# Altium PCB Z693_H93-A_KD01_V1.3_X6.PcbDoc (part 3 of 7) (continued)
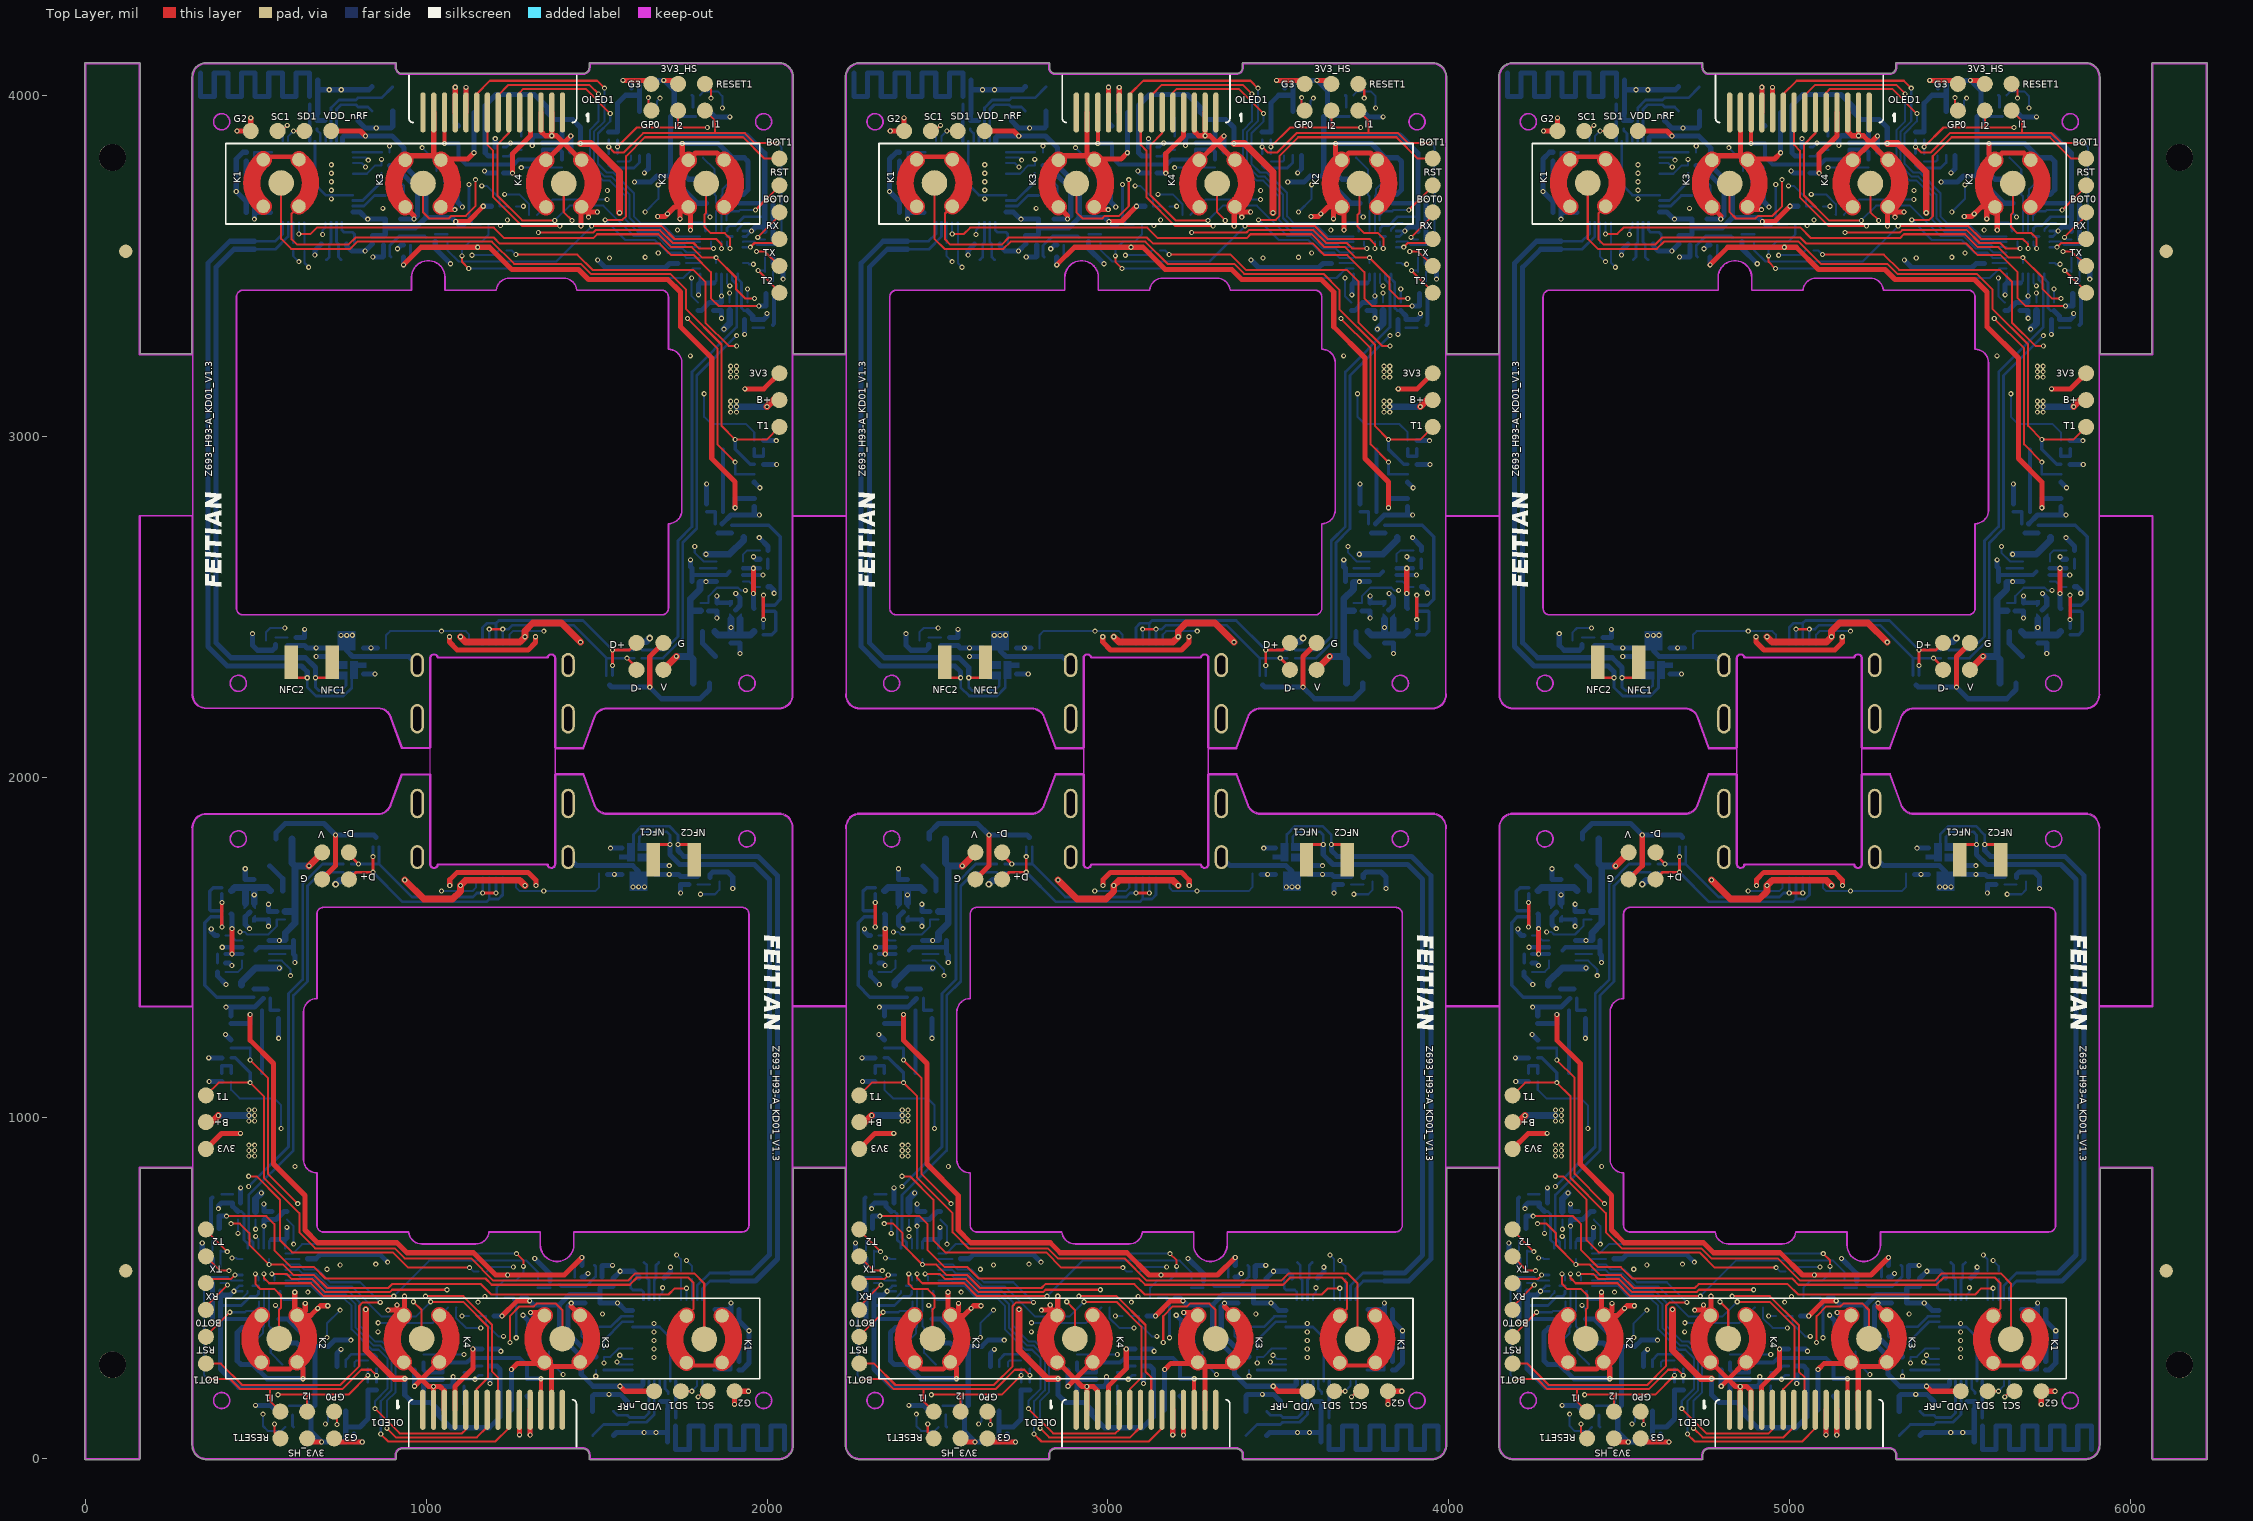
[diagram p0: Top Layer view]
## Nets (pads, with @x,y where several pads share a name; then routed paths per layer and width w, separated by ;. In a path a pad name is that pad's centre, name@x,y a point inside that pad or via, vN(x,y) a via of type N, cw(c..) or ccw(c..) an arc to the next point about the centre after c; other vN are vias at no path point) (continued)
  Top Layer w12: 521.58,3812.05 530.46,3820.93 618.02,3820.93 626.46,3812.5 ; v1(1053.43,3859.84) 1053.43,3950.93 ; 1336.34,143.56 v1(1336.34,234.65) ; 1763.31,281.99 1771.74,273.56 1859.31,273.56 1868.19,282.44 ; 2438.9,3812.05 2447.78,3820.93 2535.35,3820.93 2543.78,3812.5 ; v1(2970.75,3859.84) 2970.75,3950.93 ; 3253.66,143.56 v1(3253.66,234.65) ; 3680.63,281.99 3689.06,273.56 3776.63,273.56 3785.51,282.44 ; 4356.23,3812.05 4365.1,3820.93 4452.67,3820.93 4461.1,3812.5 ; v1(4888.07,3859.84) 4888.07,3950.93 ; 5170.99,143.56 v1(5170.99,234.65) ; 5597.96,281.99 5606.39,273.56 5693.96,273.56 5702.84,282.44
  Top Layer w15: 353.39,909 399.13,954.74 v1(454.76,954.74) ; v1(429.82,1481.25) v1(429.82,1555.54) ; v1(444.39,3896.49) 484.91,3896.49 v1(484.91,3934.97) ; v1(483.26,1303.56) 483.26,1228.18 551.89,1159.55 551.89,864.55 643.88,772.56 643.88,670.88 680.88,633.88 913.77,633.88 943.3,604.35 1138.67,604.35 1203.95,539.06 v1(1238.95,539.06) 1404.95,539.06 v1(1456.67,590.78) ; 515.82,283.48 536.43,262.88 599.65,262.88 620.7,283.92 638.39,266.23 v1(638.39,234.65) ; 515.82,420.27 524.73,429.17 ; v1(614.07,488.64) 614.07,427.34 620.7,420.71 ; 629.16,429.17 620.7,420.71 ; 631.8,420.71 644.8,433.71 v1(644.8,455.88) ; 634.85,406.56 635.2,406.56 ; 653.88,59.56 664.1,49.34 v1(692.91,49.34) ; 694.14,1700.5 733.88,1740.24 v1(733.88,1830.24) ; v1(710.8,448.88) 689.29,448.88 661.13,420.71 620.7,420.71 ; 721.13,3896.49 806.83,3896.49 v1(821.39,3881.93) ; 729.36,59.56 739.58,49.34 v1(812.13,49.34) ; v1(887.8,435.88) 909.4,435.88 913.8,440.28 ; v1(913.8,450.88) 913.8,440.28 ; v1(933.1,3503.71) 984.82,3555.43 v1(1150.81,3555.43) 1185.81,3555.43 1251.1,3490.14 1446.46,3490.14 1475.99,3460.62 1708.88,3460.62 1745.88,3423.62 1745.88,3321.93 1837.87,3229.94 1837.87,2934.94 1906.5,2866.31 v1(1906.5,2790.93) ; 933.82,283.48 935.88,281.42 937.87,281.42 986.19,233.1 ; 935.8,420.27 v1(935.8,476.87) ; 935.8,422.25 933.82,420.27 913.8,440.28 ; 938.07,3673.78 964.32,3647.52 ; 938.07,3810.57 951.43,3823.93 1030.02,3823.93 1042.94,3811.01 1046.52,3814.59 1122.01,3814.59 v1(1140.04,3832.62) ; v1(965.8,212.71) 986.19,233.1 ; 1021.38,143.56 v1(1021.38,212.1) ; 1021.93,3825.49 1021.93,3950.93 ; 1038.7,283.92 1037.02,283.92 986.19,233.1 ; 1052.87,143.56 1052.87,199.57 1040.35,212.1 v1(1021.38,212.1) ; v1(1067.88,2412.14) 1067.88,2396.69 1090.96,2373.62 1298.96,2373.62 1320.88,2395.54 v1(1320.88,2412.14) ; v1(1068.88,1682.35) 1068.88,1698.95 1090.8,1720.88 1298.8,1720.88 1321.88,1697.8 v1(1321.88,1682.35) ; 1079.65,3710.93 1058.73,3690.01 1042.94,3674.22 1051.55,3665.62 v1(1083.96,3665.62) ; 1084.37,143.56 1084.37,212.44 1136.8,264.88 v1(1136.8,321.88) ; 1084.92,3950.93 v1(1084.92,4024.89) ; v1(1086.46,3631.12) 1122.9,3631.12 v1(1167.26,3675.48) ; 1116.42,3950.93 v1(1116.42,4024.47) ; v1(1222.5,419.01) 1266.87,463.37 v1(1303.3,463.37) ; v1(1249.73,261.88) 1267.75,279.9 1343.24,279.9 1346.82,283.48 1359.74,270.56 1438.33,270.56 1451.7,283.92 ; v1(1252.96,3772.62) 1252.96,3829.62 1305.39,3882.05 1305.39,3950.93 ; v1(1273.35,70.02) 1273.35,143.56 ; v1(1304.84,69.6) 1304.84,143.56 ; v1(1305.8,428.88) 1338.21,428.88 1346.82,420.27 1331.04,404.48 1310.11,383.56 ; 1336.89,3950.93 1336.89,3894.92 1349.42,3882.4 v1(1368.39,3882.4) ; 1351.07,3810.57 1352.74,3810.57 1403.57,3861.4 ; 1367.84,143.56 1367.84,269 ; 1368.39,3950.93 v1(1368.39,3882.4) ; v1(1423.96,3881.78) 1403.57,3861.4 ; 1425.44,446.97 1451.7,420.71 ; v1(1453.96,3617.62) 1453.96,3674.22 ; 1453.96,3672.24 1455.94,3674.22 1475.96,3654.21 ; 1455.94,3811.01 1453.88,3813.07 1451.9,3813.07 1403.57,3861.4 ; v1(1475.96,3643.62) 1475.96,3654.21 ; v1(1501.96,3658.62) 1480.37,3658.62 1475.96,3654.21 ; v1(1568.38,212.56) 1582.94,198 1668.64,198 ; v1(1577.63,4045.15) 1650.18,4045.15 1660.4,4034.93 ; v1(1655.88,2264.25) 1655.88,2354.25 1695.62,2393.99 ; v1(1678.96,3645.62) 1700.47,3645.62 1728.63,3673.78 1769.07,3673.78 ; v1(1696.85,4045.15) 1725.66,4045.15 1735.88,4034.93 ; v1(1744.96,3638.62) 1744.96,3660.78 1757.96,3673.78 ; v1(1751.37,3859.84) 1751.37,3828.26 1769.07,3810.57 1790.12,3831.62 1853.34,3831.62 1873.94,3811.01 ; 1754.57,3687.93 1754.91,3687.93 ; 1760.6,3665.32 1769.07,3673.78 ; v1(1775.7,3605.85) 1775.7,3667.15 1769.07,3673.78 ; 1865.04,3665.32 1873.94,3674.22 ; v1(1904.86,159.52) 1904.86,198 v1(1945.38,198) ; v1(1935,3139.75) 1990.63,3139.75 2036.37,3185.49 ; v1(1959.95,2538.95) v1(1959.95,2613.24) ; 2270.72,909 2316.46,954.74 v1(2372.08,954.74) ; v1(2347.14,1481.25) v1(2347.14,1555.54) ; v1(2361.71,3896.49) 2402.23,3896.49 v1(2402.23,3934.97) ; v1(2400.58,1303.56) 2400.58,1228.18 2469.22,1159.55 2469.22,864.55 2561.21,772.56 2561.21,670.88 2598.21,633.88 2831.1,633.88 2860.62,604.35 3055.99,604.35 3121.28,539.06 v1(3156.27,539.06) 3322.27,539.06 v1(3373.99,590.78) ; 2433.15,283.48 2453.75,262.88 2516.97,262.88 2538.02,283.92 2555.72,266.23 v1(2555.72,234.65) ; 2433.15,420.27 2442.05,429.17 ; v1(2531.39,488.64) 2531.39,427.34 2538.02,420.71 ; 2546.48,429.17 2538.02,420.71 ; 2549.13,420.71 2562.13,433.71 v1(2562.13,455.88) ; 2552.18,406.56 2552.52,406.56 ; 2571.21,59.56 2581.43,49.34 v1(2610.24,49.34) ; 2611.47,1700.5 2651.21,1740.24 v1(2651.21,1830.24) ; v1(2628.13,448.88) 2606.62,448.88 2578.46,420.71 2538.02,420.71 ; 2638.45,3896.49 2724.15,3896.49 v1(2738.71,3881.93) ; 2646.69,59.56 2656.91,49.34 v1(2729.46,49.34) ; v1(2805.13,435.88) 2826.72,435.88 2831.13,440.28 ; v1(2831.13,450.88) 2831.13,440.28 ; v1(2850.42,3503.71) 2902.14,3555.43 v1(3068.14,3555.43) 3103.13,3555.43 3168.42,3490.14 3363.79,3490.14 3393.32,3460.62 3626.21,3460.62 3663.21,3423.62 3663.21,3321.93 3755.19,3229.94 3755.19,2934.94 3823.83,2866.31 v1(3823.83,2790.93) ; 2851.15,283.48 2853.21,281.42 2855.19,281.42 2903.52,233.1 ; 2853.13,420.27 v1(2853.13,476.87) ; 2853.13,422.25 2851.15,420.27 2831.13,440.28 ; 2855.39,3673.78 2881.64,3647.52 ; 2855.39,3810.57 2868.76,3823.93 2947.35,3823.93 2960.27,3811.01 2963.84,3814.59 3039.34,3814.59 v1(3057.36,3832.62) ; v1(2883.13,212.71) 2903.52,233.1 ; 2938.7,143.56 v1(2938.7,212.1) ; 2939.25,3825.49 2939.25,3950.93 ; 2956.02,283.92 2954.35,283.92 2903.52,233.1 ; 2970.2,143.56 2970.2,199.57 2957.67,212.1 v1(2938.7,212.1) ; v1(2985.21,2412.14) 2985.21,2396.69 3008.28,2373.62 3216.28,2373.62 3238.21,2395.54 v1(3238.21,2412.14) ; v1(2986.21,1682.35) 2986.21,1698.95 3008.13,1720.88 3216.13,1720.88 3239.21,1697.8 v1(3239.21,1682.35) ; 2996.97,3710.93 2976.05,3690.01 2960.27,3674.22 2968.88,3665.62 v1(3001.28,3665.62) ; 3001.69,143.56 3001.69,212.44 3054.13,264.88 v1(3054.13,321.88) ; 3002.25,3950.93 v1(3002.25,4024.89) ; v1(3003.79,3631.12) 3040.22,3631.12 v1(3084.58,3675.48) ; 3033.74,3950.93 v1(3033.74,4024.47) ; v1(3139.83,419.01) 3184.19,463.37 v1(3220.62,463.37) ; v1(3167.05,261.88) 3185.08,279.9 3260.57,279.9 3264.15,283.48 3277.07,270.56 3355.66,270.56 3369.02,283.92 ; v1(3170.28,3772.62) 3170.28,3829.62 3222.72,3882.05 3222.72,3950.93 ; v1(3190.67,70.02) 3190.67,143.56 ; v1(3222.17,69.6) 3222.17,143.56 ; v1(3223.13,428.88) 3255.54,428.88 3264.15,420.27 3248.36,404.48 3227.44,383.56 ; 3254.21,3950.93 3254.21,3894.92 3266.74,3882.4 v1(3285.71,3882.4) ; 3268.39,3810.57 3270.07,3810.57 3320.9,3861.4 ; 3285.16,143.56 3285.16,269 ; 3285.71,3950.93 v1(3285.71,3882.4) ; v1(3341.28,3881.78) 3320.9,3861.4 ; 3342.77,446.97 3369.02,420.71 ; v1(3371.28,3617.62) 3371.28,3674.22 ; 3371.28,3672.24 3373.27,3674.22 3393.28,3654.21 ; 3373.27,3811.01 3371.21,3813.07 3369.22,3813.07 3320.9,3861.4 ; v1(3393.28,3643.62) 3393.28,3654.21 ; v1(3419.28,3658.62) 3397.69,3658.62 3393.28,3654.21 ; v1(3485.7,212.56) 3500.26,198 3585.96,198 ; v1(3494.95,4045.15) 3567.51,4045.15 3577.73,4034.93 ; v1(3573.21,2264.25) 3573.21,2354.25 3612.95,2393.99 ; v1(3596.28,3645.62) 3617.79,3645.62 3645.96,3673.78 3686.39,3673.78 ; v1(3614.17,4045.15) 3642.99,4045.15 3653.21,4034.93 ; v1(3662.28,3638.62) 3662.28,3660.78 3675.28,3673.78 ; v1(3668.69,3859.84) 3668.69,3828.26 3686.39,3810.57 3707.44,3831.62 3770.66,3831.62 3791.27,3811.01 ; 3671.89,3687.93 3672.24,3687.93 ; 3677.93,3665.32 3686.39,3673.78 ; v1(3693.02,3605.85) 3693.02,3667.15 3686.39,3673.78 ; 3782.36,3665.32 3791.27,3674.22 ; v1(3822.18,159.52) 3822.18,198 v1(3862.7,198) ; v1(3852.33,3139.75) 3907.95,3139.75 3953.69,3185.49 ; v1(3877.27,2538.95) v1(3877.27,2613.24) ; 4188.04,909 4233.78,954.74 v1(4289.41,954.74) ; v1(4264.47,1481.25) v1(4264.47,1555.54) ; v1(4279.03,3896.49) 4319.55,3896.49 v1(4319.55,3934.97) ; v1(4317.91,1303.56) 4317.91,1228.18 4386.54,1159.55 4386.54,864.55 4478.53,772.56 4478.53,670.88 4515.53,633.88 4748.42,633.88 4777.95,604.35 4973.31,604.35 5038.6,539.06 v1(5073.6,539.06) 5239.6,539.06 v1(5291.31,590.78) ; 4350.47,283.48 4371.07,262.88 4434.3,262.88 4455.35,283.92 4473.04,266.23 v1(4473.04,234.65) ; 4350.47,420.27 4359.38,429.17 ; v1(4448.72,488.64) 4448.72,427.34 4455.35,420.71 ; 4463.81,429.17 4455.35,420.71 ; 4466.45,420.71 4479.45,433.71 v1(4479.45,455.88) ; 4469.5,406.56 4469.84,406.56 ; 4488.53,59.56 4498.75,49.34 v1(4527.56,49.34) ; 4528.79,1700.5 4568.53,1740.24 v1(4568.53,1830.24) ; v1(4545.45,448.88) 4523.94,448.88 4495.78,420.71 4455.35,420.71 ; 4555.77,3896.49 4641.48,3896.49 v1(4656.03,3881.93) ; 4564.01,59.56 4574.23,49.34 v1(4646.78,49.34) ; v1(4722.45,435.88) 4744.04,435.88 4748.45,440.28 ; v1(4748.45,450.88) 4748.45,440.28 ; v1(4767.75,3503.71) 4819.46,3555.43 v1(4985.46,3555.43) 5020.46,3555.43 5085.75,3490.14 5281.11,3490.14 5310.64,3460.62 5543.53,3460.62 5580.53,3423.62 5580.53,3321.93 5672.52,3229.94 5672.52,2934.94 5741.15,2866.31 v1(5741.15,2790.93) ; 4768.47,283.48 4770.53,281.42 4772.52,281.42 4820.84,233.1 ; 4770.45,420.27 v1(4770.45,476.87) ; 4770.45,422.25 4768.47,420.27 4748.45,440.28 ; 4772.71,3673.78 4798.97,3647.52 ; 4772.71,3810.57 4786.08,3823.93 4864.67,3823.93 4877.59,3811.01 4881.17,3814.59 4956.66,3814.59 v1(4974.69,3832.62) ; v1(4800.45,212.71) 4820.84,233.1 ; 4856.03,143.56 v1(4856.03,212.1) ; 4856.58,3825.49 4856.58,3950.93 ; 4873.35,283.92 4871.67,283.92 4820.84,233.1 ; 4887.52,143.56 4887.52,199.57 4874.99,212.1 v1(4856.03,212.1) ; v1(4902.53,2412.14) 4902.53,2396.69 4925.61,2373.62 5133.61,2373.62 5155.53,2395.54 v1(5155.53,2412.14) ; v1(4903.53,1682.35) 4903.53,1698.95 4925.45,1720.88 5133.45,1720.88 5156.53,1697.8 v1(5156.53,1682.35) ; 4914.3,3710.93 4893.37,3690.01 4877.59,3674.22 4886.2,3665.62 v1(4918.61,3665.62) ; 4919.02,143.56 4919.02,212.44 4971.45,264.88 v1(4971.45,321.88) ; 4919.57,3950.93 v1(4919.57,4024.89) ; v1(4921.11,3631.12) 4957.55,3631.12 v1(5001.91,3675.48) ; 4951.07,3950.93 v1(4951.07,4024.47) ; v1(5057.15,419.01) 5101.51,463.37 v1(5137.95,463.37) ; v1(5084.37,261.88) 5102.4,279.9 5177.89,279.9 5181.47,283.48 5194.39,270.56 5272.98,270.56 5286.35,283.92 ; v1(5087.61,3772.62) 5087.61,3829.62 5140.04,3882.05 5140.04,3950.93 ; v1(5107.99,70.02) 5107.99,143.56 ; v1(5139.49,69.6) 5139.49,143.56 ; v1(5140.45,428.88) 5172.86,428.88 5181.47,420.27 5165.69,404.48 5144.76,383.56 ; 5171.54,3950.93 5171.54,3894.92 5184.07,3882.4 v1(5203.03,3882.4) ; 5185.71,3810.57 5187.39,3810.57 5238.22,3861.4 ; 5202.48,143.56 5202.48,269 ; 5203.03,3950.93 v1(5203.03,3882.4) ; v1(5258.61,3881.78) 5238.22,3861.4 ; 5260.09,446.97 5286.35,420.71 ; v1(5288.61,3617.62) 5288.61,3674.22 ; 5288.61,3672.24 5290.59,3674.22 5310.61,3654.21 ; 5290.59,3811.01 5288.53,3813.07 5286.54,3813.07 5238.22,3861.4 ; v1(5310.61,3643.62) 5310.61,3654.21 ; v1(5336.61,3658.62) 5315.02,3658.62 5310.61,3654.21 ; v1(5403.03,212.56) 5417.58,198 5503.29,198 ; v1(5412.28,4045.15) 5484.83,4045.15 5495.05,4034.93 ; v1(5490.53,2264.25) 5490.53,2354.25 5530.27,2393.99 ; v1(5513.61,3645.62) 5535.12,3645.62 5563.28,3673.78 5603.71,3673.78 ; v1(5531.5,4045.15) 5560.31,4045.15 5570.53,4034.93 ; v1(5579.61,3638.62) 5579.61,3660.78 5592.61,3673.78 ; v1(5586.02,3859.84) 5586.02,3828.26 5603.71,3810.57 5624.76,3831.62 5687.99,3831.62 5708.59,3811.01 ; 5589.22,3687.93 5589.56,3687.93 ; 5595.25,3665.32 5603.71,3673.78 ; v1(5610.35,3605.85) 5610.35,3667.15 5603.71,3673.78 ; 5699.68,3665.32 5708.59,3674.22 ; v1(5739.51,159.52) 5739.51,198 v1(5780.03,198) ; v1(5769.65,3139.75) 5825.28,3139.75 5871.02,3185.49 ; v1(5794.59,2538.95) v1(5794.59,2613.24) ; 986.19,233.1 1007.19,212.1 v1(1021.38,212.1) ; v1(1368.39,3882.4) 1382.57,3882.4 1403.57,3861.4 ; 2903.52,233.1 2924.52,212.1 v1(2938.7,212.1) ; v1(3285.71,3882.4) 3299.9,3882.4 3320.9,3861.4 ; 4820.84,233.1 4841.84,212.1 v1(4856.03,212.1) ; v1(5203.03,3882.4) 5217.22,3882.4 5238.22,3861.4
  Top Layer w20: 353.39,987.74 370.48,987.74 v1(389.8,1007.06) ; v1(655.8,1739.88) 694.14,1778.21 694.14,1779.24 ; v1(822.39,437.82) 822.39,318.29 906.03,234.65 v1(936.8,234.65) ; v1(936.88,1698.24) 992.8,1642.32 1077.25,1642.32 1100.19,1665.26 v1(1100.19,1682.35) 1115.22,1697.38 1274.5,1697.38 v1(1289.53,1682.35) ; v1(1100.24,2412.14) 1115.26,2397.12 1274.55,2397.12 v1(1289.58,2412.14) 1289.58,2429.23 1312.52,2452.17 1396.97,2452.17 v1(1452.88,2396.25) ; v1(1452.96,3859.84) 1483.73,3859.84 1567.37,3776.21 v1(1567.37,3656.67) ; 1695.62,2315.25 1695.62,2316.28 v1(1733.96,2354.62) ; v1(1999.96,3087.43) 2019.28,3106.75 2036.37,3106.75 ; 2270.72,987.74 2287.8,987.74 v1(2307.13,1007.06) ; v1(2573.13,1739.88) 2611.47,1778.21 2611.47,1779.24 ; v1(2739.72,437.82) 2739.72,318.29 2823.36,234.65 v1(2854.13,234.65) ; v1(2854.21,1698.24) 2910.12,1642.32 2994.57,1642.32 3017.51,1665.26 v1(3017.51,1682.35) 3032.54,1697.38 3191.82,1697.38 v1(3206.85,1682.35) ; v1(3017.56,2412.14) 3032.59,2397.12 3191.87,2397.12 v1(3206.9,2412.14) 3206.9,2429.23 3229.84,2452.17 3314.29,2452.17 v1(3370.21,2396.25) ; v1(3370.28,3859.84) 3401.06,3859.84 3484.69,3776.21 v1(3484.69,3656.67) ; 3612.95,2315.25 3612.95,2316.28 v1(3651.28,2354.62) ; v1(3917.28,3087.43) 3936.61,3106.75 3953.69,3106.75 ; 4188.04,987.74 4205.13,987.74 v1(4224.45,1007.06) ; v1(4490.45,1739.88) 4528.79,1778.21 4528.79,1779.24 ; v1(4657.04,437.82) 4657.04,318.29 4740.68,234.65 v1(4771.45,234.65) ; v1(4771.53,1698.24) 4827.45,1642.32 4911.9,1642.32 4934.84,1665.26 v1(4934.84,1682.35) 4949.86,1697.38 5109.15,1697.38 v1(5124.18,1682.35) ; v1(4934.88,2412.14) 4949.91,2397.12 5109.2,2397.12 v1(5124.22,2412.14) 5124.22,2429.23 5147.16,2452.17 5231.61,2452.17 v1(5287.53,2396.25) ; v1(5287.61,3859.84) 5318.38,3859.84 5402.02,3776.21 v1(5402.02,3656.67) ; 5530.27,2315.25 5530.27,2316.28 v1(5568.61,2354.62) ; v1(5834.61,3087.43) 5853.93,3106.75 5871.02,3106.75
  Mid-Layer 1 w6: v1(413.8,711.88) 413.8,1191.83 394.41,1211.23 394.41,1445.84 v1(429.82,1481.25) ; v1(415.88,607.56) 388.43,580.11 388.43,415.04 431.1,372.38 v1(858.3,372.38) ; v1(426.8,689.84) 426.8,700.88 435.76,709.83 435.76,1430.59 446.32,1441.15 446.32,1539 v1(453.38,1546.06) ; v1(429.88,589.06) 400.43,559.61 400.43,420.01 421.53,398.91 v1(858.84,398.91) ; v1(499.26,652.56) 499.26,641.05 481.09,622.88 481.09,456.88 519.09,418.88 972.8,418.88 990.8,436.88 1147.8,436.88 1185.3,399.38 1418.3,399.38 1462.36,443.43 1522.88,443.43 1540.8,425.51 1540.8,264.88 1518.08,242.15 v1(1497.47,242.15) ; v1(557.27,450.17) 592.77,485.68 592.77,569.7 549.8,612.67 549.8,1388.82 590.8,1429.82 590.8,1555.54 677.86,1642.6 1790.92,1642.6 v1(1804.88,1656.56) ; v1(574.15,969.3) 574.15,625.5 652.38,547.27 v1(652.38,488.88) ; v1(584.88,2437.93) 598.85,2451.9 1711.91,2451.9 1798.96,2538.95 1798.96,2664.67 1839.96,2705.67 1839.96,3481.82 1796.99,3524.79 1796.99,3608.81 v1(1832.5,3644.32) ; v1(601.88,1417.56) 601.88,1392.88 590.65,1381.64 590.65,762.38 590.65,736.11 610.88,715.88 v1(610.88,629.56) ; v1(622.88,748.56) 622.88,661.74 708.8,575.81 v1(708.8,555.88) ; v1(625.96,3513.12) 742.49,3513.12 826.99,3597.62 1153.96,3597.62 1174.96,3618.62 v1(1217.96,3618.62) ; v1(654.96,3496.62) 742.96,3496.62 831.96,3585.62 1158.93,3585.62 1171.93,3598.62 v1(1328.96,3598.62) ; v1(695.96,3592.62) 805.02,3592.62 822.02,3609.62 1148.99,3609.62 1174.49,3635.12 v1(1237.96,3635.12) ; v1(747.38,435.88) v1@747.38,561.45 ; v1(851.77,570.88) 879.83,542.82 942.39,542.82 962.17,523.04 v1(962.17,460.51) ; v1(868.48,3813.3) 901.65,3813.3 935.96,3847.62 v1(987.96,3847.62) ; v1(1044.62,1665.82) 1044.62,1681.96 1062.72,1700.06 1328.05,1700.06 1344.88,1683.22 v1(1344.88,1665.82) ; v1(1044.88,2428.67) 1044.88,2411.27 1061.72,2394.43 1327.05,2394.43 1345.14,2412.53 v1(1345.14,2428.67) ; v1(1060.8,495.88) 1217.83,495.88 1230.83,508.88 1557.8,508.88 1646.8,597.88 v1(1734.8,597.88) ; v1(1151.8,459.38) 1215.27,459.38 1240.77,484.88 1567.75,484.88 1584.75,501.88 v1(1693.8,501.88) ; v1(1171.8,475.88) 1214.8,475.88 1235.8,496.88 1562.77,496.88 1647.27,581.38 v1(1763.8,581.38) ; v1(1401.8,246.88) 1453.8,246.88 1488.12,281.19 v1(1521.28,281.19) ; v1(1427.59,3633.98) 1427.59,3571.45 1447.37,3551.67 1509.94,3551.67 v1(1537.99,3523.62) ; v1(1530.93,3695.58) 1968.23,3695.58 1989.33,3674.48 1989.33,3534.88 v1(1959.88,3505.43) ; v1(1531.46,3722.12) 1958.67,3722.12 2001.33,3679.45 2001.33,3514.38 v1(1973.88,3486.93) ; v1@1642.38,3533.04 v1(1642.38,3658.62) ; v1(1680.96,3538.62) 1680.96,3518.68 1766.88,3432.75 v1(1766.88,3345.93) ; v1(1737.38,3605.62) 1737.38,3547.23 1815.62,3468.99 v1(1815.62,3125.19) ; v1(1778.88,3464.93) 1778.88,3378.62 1799.12,3358.38 1799.12,3332.12 1799.12,2712.85 1787.88,2701.62 v1(1787.88,2676.93) ; v1(1890.5,3441.93) 1890.5,3453.44 1908.68,3471.62 1908.68,3637.62 1870.68,3675.62 1416.96,3675.62 1398.96,3657.62 1241.96,3657.62 1204.46,3695.12 971.46,3695.12 927.41,3651.06 866.88,3651.06 848.96,3668.98 848.96,3829.62 871.69,3852.34 v1(892.29,3852.34) ; v1(1936.38,2548.43) 1943.45,2555.49 1943.45,2653.34 1954,2663.9 1954,3384.66 1962.96,3393.62 v1(1962.96,3404.65) ; v1(1959.95,2613.24) 1995.36,2648.65 1995.36,2883.26 1975.96,2902.66 v1(1975.96,3382.62) ; v1(2331.13,711.88) 2331.13,1191.83 2311.73,1211.23 2311.73,1445.84 v1(2347.14,1481.25) ; v1(2333.21,607.56) 2305.75,580.11 2305.75,415.04 2348.42,372.38 v1(2775.63,372.38) ; v1(2344.13,689.84) 2344.13,700.88 2353.08,709.83 2353.08,1430.59 2363.64,1441.15 2363.64,1539 v1(2370.71,1546.06) ; v1(2347.21,589.06) 2317.75,559.61 2317.75,420.01 2338.86,398.91 v1(2776.16,398.91) ; v1(2416.58,652.56) 2416.58,641.05 2398.41,622.88 2398.41,456.88 2436.41,418.88 2890.13,418.88 2908.13,436.88 3065.13,436.88 3102.63,399.38 3335.63,399.38 3379.68,443.43 3440.21,443.43 3458.13,425.51 3458.13,264.88 3435.4,242.15 v1(3414.8,242.15) ; v1(2474.59,450.17) 2510.1,485.68 2510.1,569.7 2467.13,612.67 2467.13,1388.82 2508.13,1429.82 2508.13,1555.54 2595.18,1642.6 3708.24,1642.6 v1(3722.21,1656.56) ; v1(2491.47,969.3) 2491.47,625.5 2569.71,547.27 v1(2569.71,488.88) ; v1(2502.21,2437.93) 2516.17,2451.9 3629.23,2451.9 3716.28,2538.95 3716.28,2664.67 3757.28,2705.67 3757.28,3481.82 3714.32,3524.79 3714.32,3608.81 v1(3749.82,3644.32) ; v1(2519.21,1417.56) 2519.21,1392.88 2507.97,1381.64 2507.97,762.38 2507.97,736.11 2528.21,715.88 v1(2528.21,629.56) ; v1(2540.21,748.56) 2540.21,661.74 2626.13,575.81 v1(2626.13,555.88) ; v1(2543.28,3513.12) 2659.81,3513.12 2744.31,3597.62 3071.28,3597.62 3092.28,3618.62 v1(3135.28,3618.62) ; v1(2572.28,3496.62) 2660.28,3496.62 2749.28,3585.62 3076.26,3585.62 3089.26,3598.62 v1(3246.28,3598.62) ; v1(2613.28,3592.62) 2722.34,3592.62 2739.34,3609.62 3066.31,3609.62 3091.81,3635.12 v1(3155.28,3635.12) ; v1(2664.71,435.88) v1@2664.71,561.45 ; v1(2769.1,570.88) 2797.15,542.82 2859.72,542.82 2879.49,523.04 v1(2879.49,460.51) ; v1(2785.8,3813.3) 2818.97,3813.3 2853.28,3847.62 v1(2905.28,3847.62) ; v1(2961.95,1665.82) 2961.95,1681.96 2980.04,1700.06 3245.37,1700.06 3262.21,1683.22 v1(3262.21,1665.82) ; v1(2962.21,2428.67) 2962.21,2411.27 2979.04,2394.43 3244.37,2394.43 3262.47,2412.53 v1(3262.47,2428.67) ; v1(2978.13,495.88) 3135.16,495.88 3148.16,508.88 3475.13,508.88 3564.13,597.88 v1(3652.13,597.88) ; v1(3069.13,459.38) 3132.6,459.38 3158.1,484.88 3485.07,484.88 3502.07,501.88 v1(3611.13,501.88) ; v1(3089.13,475.88) 3132.13,475.88 3153.13,496.88 3480.1,496.88 3564.6,581.38 v1(3681.13,581.38) ; v1(3319.13,246.88) 3371.13,246.88 3405.44,281.19 v1(3438.61,281.19) ; v1(3344.92,3633.98) 3344.92,3571.45 3364.69,3551.67 3427.26,3551.67 v1(3455.32,3523.62) ; v1(3448.25,3695.58) 3885.56,3695.58 3906.66,3674.48 3906.66,3534.88 v1(3877.21,3505.43) ; v1(3448.78,3722.12) 3875.99,3722.12 3918.66,3679.45 3918.66,3514.38 v1(3891.21,3486.93) ; v1@3559.71,3533.04 v1(3559.71,3658.62) ; v1(3598.28,3538.62) 3598.28,3518.68 3684.21,3432.75 v1(3684.21,3345.93) ; v1(3654.71,3605.62) 3654.71,3547.23 3732.94,3468.99 v1(3732.94,3125.19) ; v1(3696.21,3464.93) 3696.21,3378.62 3716.44,3358.38 3716.44,3332.12 3716.44,2712.85 3705.21,2701.62 v1(3705.21,2676.93) ; v1(3807.83,3441.93) 3807.83,3453.44 3826,3471.62 3826,3637.62 3788,3675.62 3334.28,3675.62 3316.28,3657.62 3159.28,3657.62 3121.78,3695.12 2888.78,3695.12 2844.73,3651.06 2784.21,3651.06 2766.28,3668.98 2766.28,3829.62 2789.01,3852.34 v1(2809.62,3852.34) ; v1(3853.71,2548.43) 3860.77,2555.49 3860.77,2653.34 3871.33,2663.9 3871.33,3384.66 3880.28,3393.62 v1(3880.28,3404.65) ; v1(3877.27,2613.24) 3912.68,2648.65 3912.68,2883.26 3893.28,2902.66 v1(3893.28,3382.62) ; v1(4248.45,711.88) 4248.45,1191.83 4229.05,1211.23 4229.05,1445.84 v1(4264.47,1481.25) ; v1(4250.53,607.56) 4223.08,580.11 4223.08,415.04 4265.74,372.38 v1(4692.95,372.38) ; v1(4261.45,689.84) 4261.45,700.88 4270.41,709.83 4270.41,1430.59 4280.97,1441.15 4280.97,1539 v1(4288.03,1546.06) ; v1(4264.53,589.06) 4235.08,559.61 4235.08,420.01 4256.18,398.91 v1(4693.49,398.91) ; v1(4333.91,652.56) 4333.91,641.05 4315.74,622.88 4315.74,456.88 4353.74,418.88 4807.45,418.88 4825.45,436.88 4982.45,436.88 5019.95,399.38 5252.95,399.38 5297.01,443.43 5357.53,443.43 5375.45,425.51 5375.45,264.88 5352.73,242.15 v1(5332.12,242.15) ; v1(4391.92,450.17) 4427.42,485.68 4427.42,569.7 4384.45,612.67 4384.45,1388.82 4425.45,1429.82 4425.45,1555.54 4512.51,1642.6 5625.57,1642.6 v1(5639.53,1656.56) ; v1(4408.79,969.3) 4408.79,625.5 4487.03,547.27 v1(4487.03,488.88) ; v1(4419.53,2437.93) 4433.49,2451.9 5546.55,2451.9 5633.61,2538.95 5633.61,2664.67 5674.61,2705.67 5674.61,3481.82 5631.64,3524.79 5631.64,3608.81 v1(5667.14,3644.32) ; v1(4436.53,1417.56) 4436.53,1392.88 4425.29,1381.64 4425.29,762.38 4425.29,736.11 4445.53,715.88 v1(4445.53,629.56) ; v1(4457.53,748.56) 4457.53,661.74 4543.45,575.81 v1(4543.45,555.88) ; v1(4460.61,3513.12) 4577.14,3513.12 4661.64,3597.62 4988.61,3597.62 5009.61,3618.62 v1(5052.61,3618.62) ; v1(4489.61,3496.62) 4577.61,3496.62 4666.61,3585.62 4993.58,3585.62 5006.58,3598.62 v1(5163.61,3598.62) ; v1(4530.61,3592.62) 4639.67,3592.62 4656.67,3609.62 4983.64,3609.62 5009.14,3635.12 v1(5072.61,3635.12) ; v1(4582.03,435.88) v1@4582.03,561.45 ; v1(4686.42,570.88) 4714.48,542.82 4777.04,542.82 4796.82,523.04 v1(4796.82,460.51) ; v1(4703.13,3813.3) 4736.29,3813.3 4770.61,3847.62 v1(4822.61,3847.62) ; v1(4879.27,1665.82) 4879.27,1681.96 4897.36,1700.06 5162.7,1700.06 5179.53,1683.22 v1(5179.53,1665.82) ; v1(4879.53,2428.67) 4879.53,2411.27 4896.36,2394.43 5161.7,2394.43 5179.79,2412.53 v1(5179.79,2428.67) ; v1(4895.45,495.88) 5052.48,495.88 5065.48,508.88 5392.45,508.88 5481.45,597.88 v1(5569.45,597.88) ; v1(4986.45,459.38) 5049.92,459.38 5075.42,484.88 5402.39,484.88 5419.39,501.88 v1(5528.45,501.88) ; v1(5006.45,475.88) 5049.45,475.88 5070.45,496.88 5397.42,496.88 5481.92,581.38 v1(5598.45,581.38) ; v1(5236.45,246.88) 5288.45,246.88 5322.77,281.19 v1(5355.93,281.19) ; v1(5262.24,3633.98) 5262.24,3571.45 5282.02,3551.67 5344.58,3551.67 v1(5372.64,3523.62) ; v1(5365.57,3695.58) 5802.88,3695.58 5823.98,3674.48 5823.98,3534.88 v1(5794.53,3505.43) ; v1(5366.11,3722.12) 5793.32,3722.12 5835.98,3679.45 5835.98,3514.38 v1(5808.53,3486.93) ; v1@5477.03,3533.04 v1(5477.03,3658.62) ; v1(5515.61,3538.62) 5515.61,3518.68 5601.53,3432.75 v1(5601.53,3345.93) ; v1(5572.03,3605.62) 5572.03,3547.23 5650.27,3468.99 v1(5650.27,3125.19) ; v1(5613.53,3464.93) 5613.53,3378.62 5633.77,3358.38 5633.77,3332.12 5633.77,2712.85 5622.53,2701.62 v1(5622.53,2676.93) ; v1(5725.15,3441.93) 5725.15,3453.44 5743.32,3471.62 5743.32,3637.62 5705.32,3675.62 5251.61,3675.62 5233.61,3657.62 5076.61,3657.62 5039.11,3695.12 4806.11,3695.12 4762.05,3651.06 4701.53,3651.06 4683.61,3668.98 4683.61,3829.62 4706.33,3852.34 v1(4726.94,3852.34) ; v1(5771.03,2548.43) 5778.09,2555.49 5778.09,2653.34 5788.65,2663.9 5788.65,3384.66 5797.61,3393.62 v1(5797.61,3404.65) ; v1(5794.59,2613.24) 5830.01,2648.65 5830.01,2883.26 5810.61,2902.66 v1(5810.61,3382.62) ; v1(892.29,3852.34) 892.88,3852.93 892.88,3852.34 v1(892.29,3852.34) ; v1(1497.47,242.15) 1496.88,241.56 1496.88,242.15 v1(1497.47,242.15) ; v1(2809.62,3852.34) 2810.21,3852.93 2810.21,3852.34 v1(2809.62,3852.34) ; v1(3414.8,242.15) 3414.21,241.56 3414.21,242.15 v1(3414.8,242.15) ; v1(4726.94,3852.34) 4727.53,3852.93 4727.53,3852.34 v1(4726.94,3852.34) ; v1(5332.12,242.15) 5331.53,241.56 5331.53,242.15 v1(5332.12,242.15)
  Mid-Layer 1 w15: v1(483.26,1303.56) 483.26,1417.99 532.3,1467.03 532.3,1520.38 674.02,1662.1 1001.42,1662.1 1055.88,1716.56 1334.88,1716.56 1357.52,1693.92 1568.85,1693.92 1589.85,1714.92 v1(1712.95,1714.92) ; v1(495.41,3637.78) v1(828.28,3637.78) ; v1(676.82,2353.98) 804.02,2353.98 829.61,2379.57 v1(837.88,2379.57) ; v1(676.82,2379.57) 799.91,2379.57 820.91,2400.57 1032.25,2400.57 1054.88,2377.93 1333.88,2377.93 1388.35,2432.4 1715.74,2432.4 1857.46,2574.12 1857.46,2627.46 1906.5,2676.5 v1(1906.5,2790.93) ; v1(872.6,3669.56) 917.51,3669.56 959.57,3711.62 1191.96,3711.62 v1(1252.96,3772.62) ; v1(1136.8,321.88) 1197.8,382.88 1430.2,382.88 1472.25,424.93 v1(1517.17,424.93) ; v1(1551.88,1714.92) 1560.15,1714.92 1585.74,1740.51 v1(1712.95,1740.51) ; v1(1561.49,456.71) v1(1894.35,456.71) ; v1(2400.58,1303.56) 2400.58,1417.99 2449.63,1467.03 2449.63,1520.38 2591.35,1662.1 2918.74,1662.1 2973.21,1716.56 3252.21,1716.56 3274.84,1693.92 3486.18,1693.92 3507.18,1714.92 v1(3630.27,1714.92) ; v1(2412.73,3637.78) v1(2745.6,3637.78) ; v1(2594.14,2353.98) 2721.35,2353.98 2746.94,2379.57 v1(2755.21,2379.57) ; v1(2594.14,2379.57) 2717.24,2379.57 2738.24,2400.57 2949.57,2400.57 2972.21,2377.93 3251.21,2377.93 3305.67,2432.4 3633.06,2432.4 3774.78,2574.12 3774.78,2627.46 3823.83,2676.5 v1(3823.83,2790.93) ; v1(2789.92,3669.56) 2834.84,3669.56 2876.89,3711.62 3109.28,3711.62 v1(3170.28,3772.62) ; v1(3054.13,321.88) 3115.13,382.88 3347.52,382.88 3389.58,424.93 v1(3434.49,424.93) ; v1(3469.21,1714.92) 3477.48,1714.92 3503.07,1740.51 v1(3630.27,1740.51) ; v1(3478.81,456.71) v1(3811.68,456.71) ; v1(4317.91,1303.56) 4317.91,1417.99 4366.95,1467.03 4366.95,1520.38 4508.67,1662.1 4836.07,1662.1 4890.53,1716.56 5169.53,1716.56 5192.17,1693.92 5403.5,1693.92 5424.5,1714.92 v1(5547.59,1714.92) ; v1(4330.06,3637.78) v1(4662.92,3637.78) ; v1(4511.47,2353.98) 4638.67,2353.98 4664.26,2379.57 v1(4672.53,2379.57) ; v1(4511.47,2379.57) 4634.56,2379.57 4655.56,2400.57 4866.89,2400.57 4889.53,2377.93 5168.53,2377.93 5222.99,2432.4 5550.39,2432.4 5692.11,2574.12 5692.11,2627.46 5741.15,2676.5 v1(5741.15,2790.93) ; v1(4707.25,3669.56) 4752.16,3669.56 4794.21,3711.62 5026.61,3711.62 v1(5087.61,3772.62) ; v1(4971.45,321.88) 5032.45,382.88 5264.85,382.88 5306.9,424.93 v1(5351.81,424.93) ; v1(5386.53,1714.92) 5394.8,1714.92 5420.39,1740.51 v1(5547.59,1740.51) ; v1(5396.14,456.71) v1(5729,456.71)